# KiCad board 2000ATX.kicad_pcb (continued)
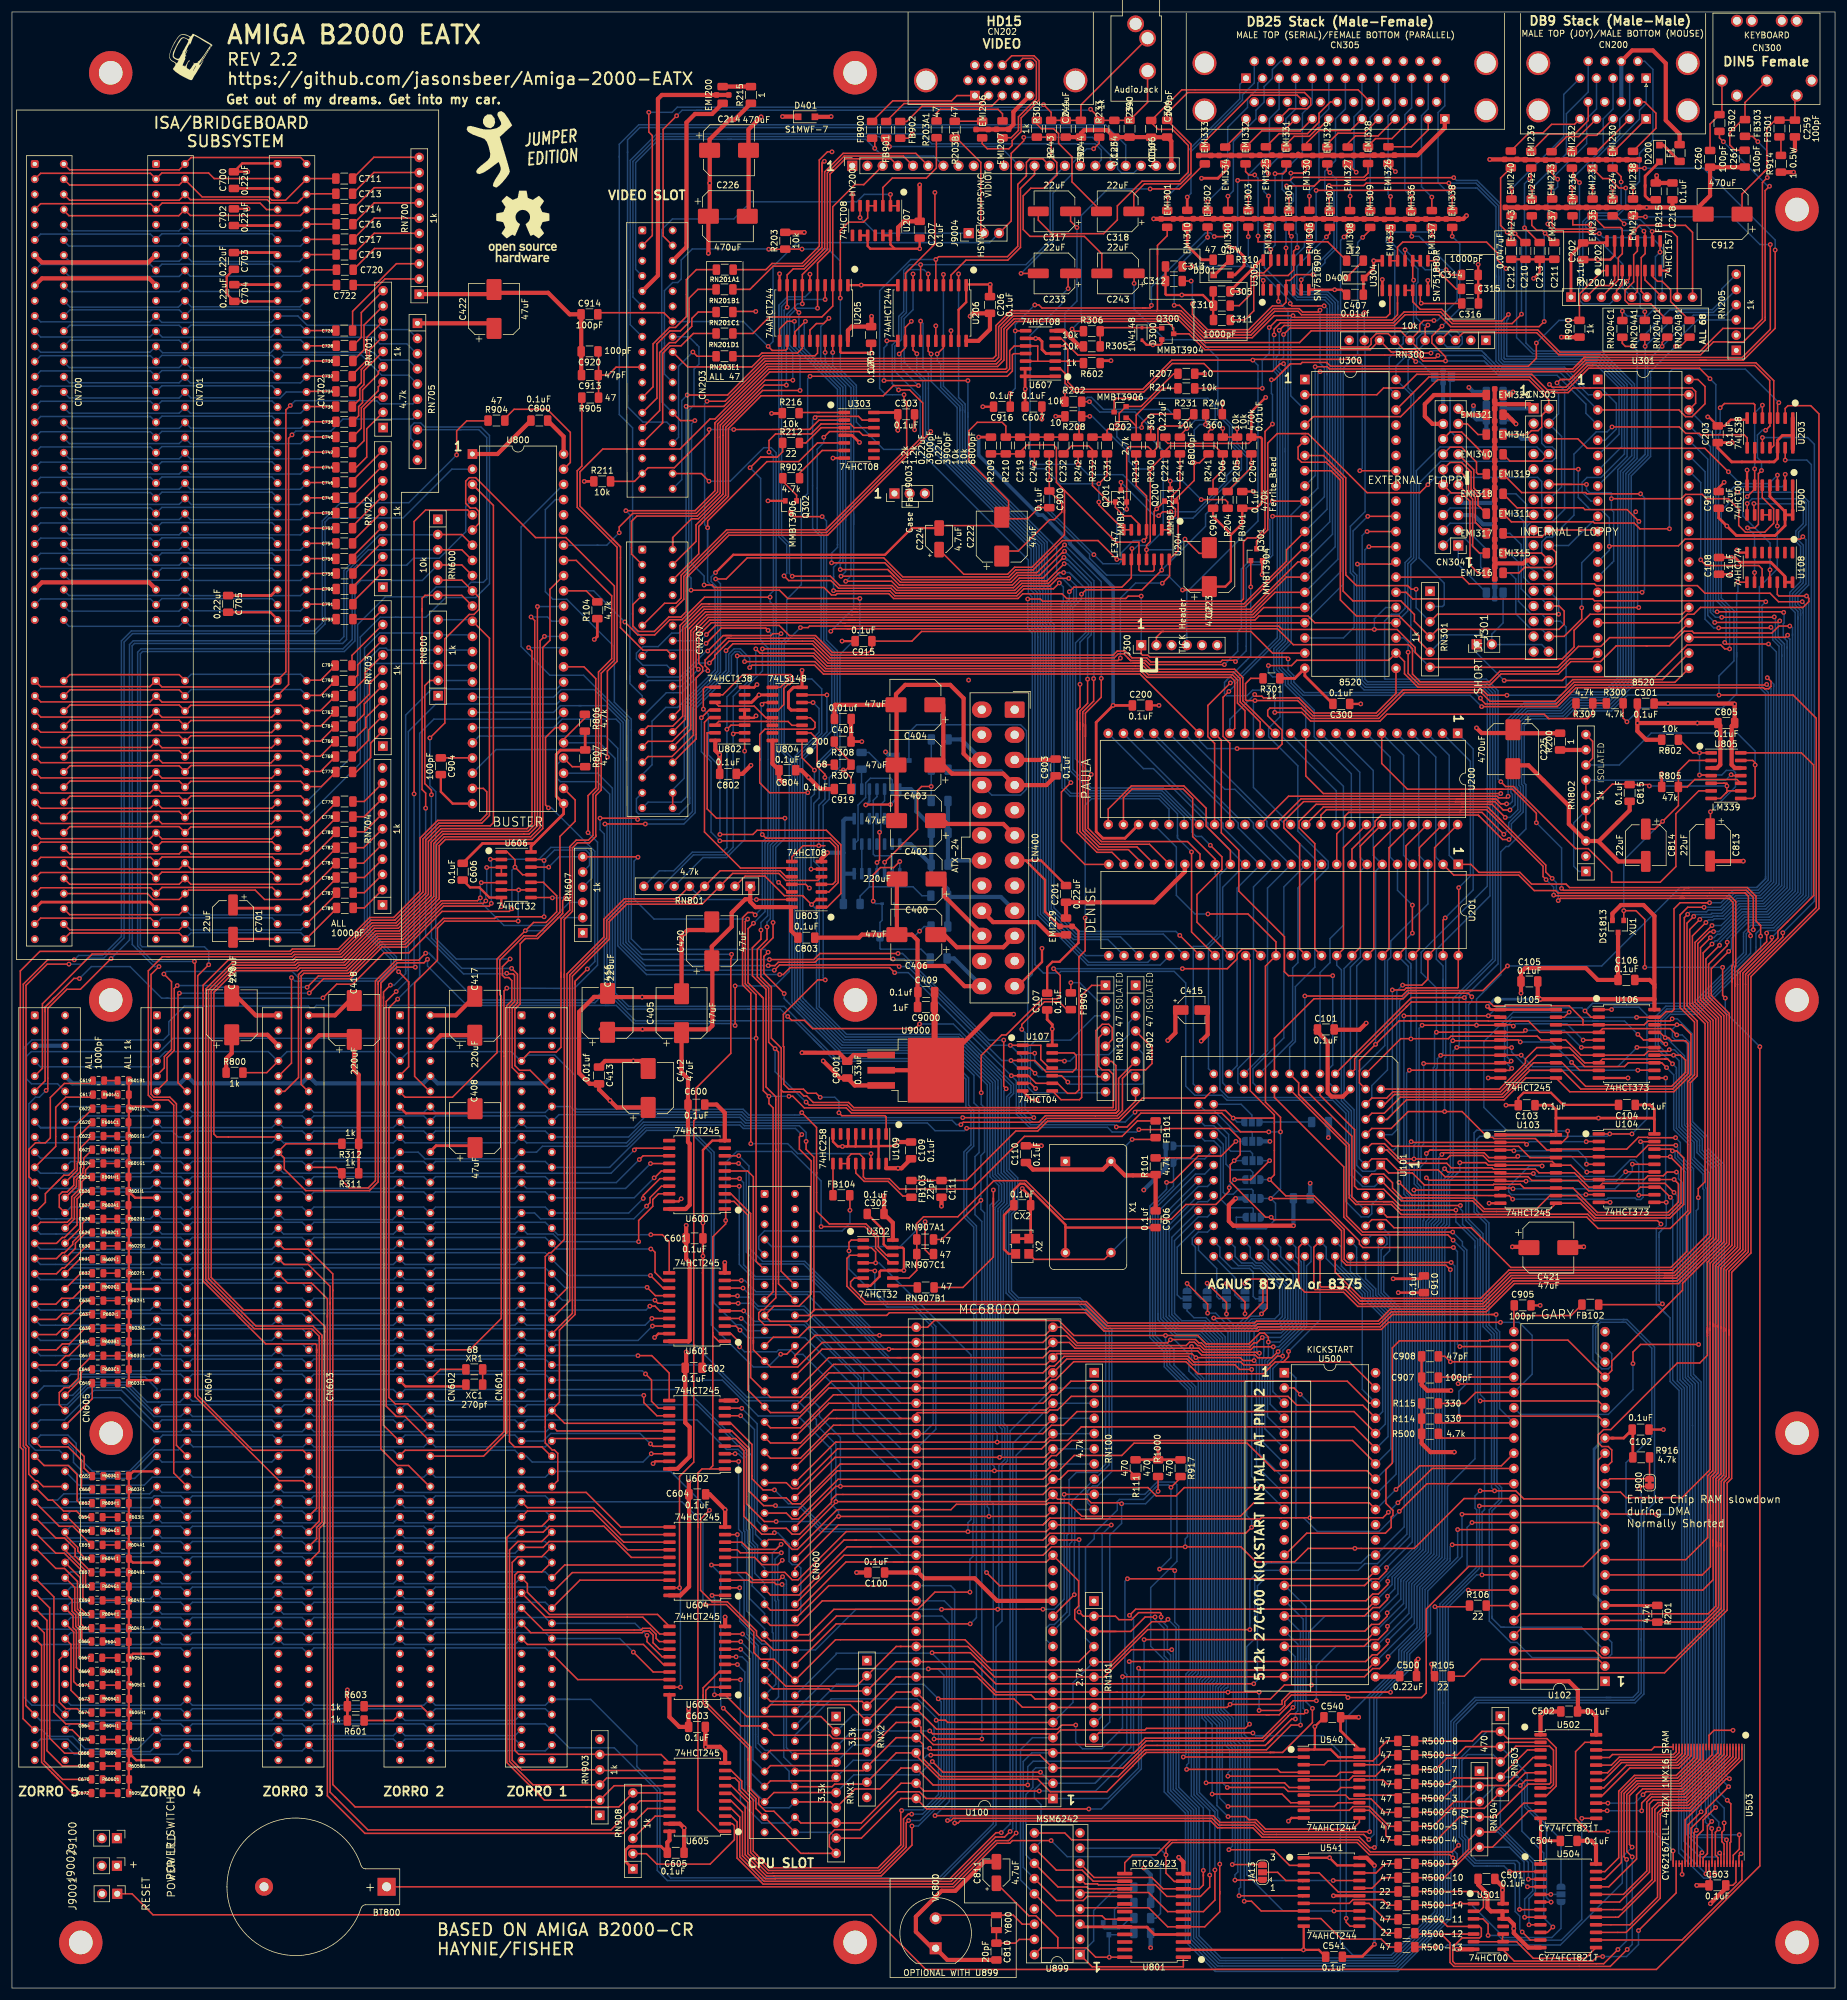
[diagram p0: board, top side]
## Routing (per net, layer and track width the routed paths; a pad name or vN(x,y) marks a point on that pad's centre or on a via; arc(x,y) is an arc through that point) (continued)
TBASE: length 115.7
  Top w0.25: 192.52,226.68 207.14,226.68 210.76,223.06 U300.19 215.87,223.34 ; 192.52,226.68 192.29,226.68 191.34,225.73 J300.2 ; 192.52,226.68 152.08,226.68 150.47,225.07 C915.1 143.77,223.75 143.19,223.17 137.16,223.17 134.34,226 129.97,226 128.27,227.69 117.63,227.69 v1(116.1,226.16)
  Bottom w0.25: v1(116.1,226.16) 115.07,225.13 CN207.14
VCDAC: length 228.3
  Top w0.25: v1(126.42,226.87) 126.05,227.24 118.61,227.24 v1(116.05,224.69) 117.36,226 ; 184.59,146.22 168.05,146.22 ; 184.59,146.22 185.02,146.64 ; 184.59,146.22 140.35,146.22 139.49,147.08 132.48,147.08 130.54,149.02 v1(129.9,149.02) ; 184.59,146.22 185.02,146.64 ; 126.3,114.94 125.94,114.94 ; 185.02,146.64 185.02,152 RN902.6 ; 125.4,165.63 124.96,166.07 ; 125.4,165.63 125.4,165.64 123.07,167.97 123.07,177.02 v1(123.97,177.93) ; 125.4,165.63 125.61,165.42 125.61,149.96 v1(126.56,149.02) 126.56,147.77 127.25,147.08 127.25,116.34 CN600.15
  Bottom w0.25: v1(116.05,224.69) 114.93,223.57 106.36,223.57 CN207.15 ; 126.86,225.54 126.86,192.31 125.9,191.35 125.9,179.87 v1(123.97,177.93) ; v1(126.42,226.87) 126.86,226.43 126.86,225.55 ; v1(129.9,149.02) v1(126.56,149.02)
Vref: length 81.4
  Top w0.25: R209.2 R210.1 C219.1 168.55,256.69 169.72,257.86 174.14,257.86 174.62,257.38 174.62,255.4 ; 174.62,255.4 174.62,251.59 175.26,250.95 ; 174.62,255.4 174.62,253.22 ; 175.96,246.96 175.96,250.25 175.26,250.95 ; 175.96,246.96 175.96,246.45 ; 175.96,246.96 175.96,242.84 170.53,237.41 167.63,237.41 166.46,236.24 159.14,236.24 C224.1 ; 183.9,242.32 175.26,250.95 ; 183.9,242.32 184.61,241.6 188.42,241.6 U204.10 188.42,236.98 188.67,236.73 190.75,236.73 190.96,236.93 U204.12 ; 183.9,242.32 183.82,242.39
XCLK: length 150.9
  Top w0.25: v1(124.25,179.32) 123.85,179.72 123.02,179.72 122.15,178.85 122.15,167.62 123.53,166.24 v1(123.53,141.09) ; v1(123.4,254.04) 125.17,255.8 127.67,255.8 ; 127.67,255.8 127.94,255.8 128.85,256.71 R212.1 ; 127.67,255.8 125.17,255.8 ; U109.14 v1(143.62,139.43)
  Bottom w0.25: v1(143.62,139.43) 131.36,139.43 130.32,140.47 ; 130.32,140.47 129.7,141.09 v1(123.53,141.09) ; 130.32,140.47 130.19,140.6 ; v1(124.25,179.32) 125.45,180.51 125.45,191.54 126.41,192.5 126.41,223.91 125.17,225.15 125.17,252.27 123.43,254.01
XRDY: length 312.5
  Top w0.25: 133.89,113.04 134.23,113.38 179.61,113.38 182.77,110.22 208.12,110.22 208.4,110.5 228.75,110.5 230.81,112.55 v1(248.13,112.55) 247.37,112.55 ; 133.89,113.04 133.23,112.38 CN600.18 ; 133.89,113.04 134.07,113.22 134.07,138.84 132.77,140.14 v1(132.77,141.48) ; R114.1 239.19,94.44 U102.31
  Bottom w0.25: v1(248.13,112.55) 248.13,110.25 248.72,109.66 248.72,96.82 U102.31 ; 29.18,142.21 30.16,143.19 48.52,143.19 49.5,142.21 50.48,143.19 68.84,143.19 69.82,142.21 70.8,143.19 89.16,143.19 90.14,142.21 103.09,142.21 105.56,144.68 121.87,144.68 122.46,144.09 131.65,144.09 132.78,142.96 132.78,141.47 ; CN605.18 22.77,142.21 23.75,143.19 26.8,143.19 27.78,142.21 CN604.18
Net-(BT800-Pad1): length 144.2
  Top w0.25: v1(173.74,24.64) 167.26,24.64 166.81,24.19 164.7,24.19 157.43,16.92 BT800.1
  Bottom w0.25: v1(173.74,24.64) 176.42,21.95 190.39,21.95 192.02,20.32 192.02,12.45 191.26,11.68 R803.1
Net-(C112-Pad2): length 21.6
  Top w0.7: v1(214.25,127.38) 204.22,127.38 203.45,128.14 203.45,130.81 v1(204.58,131.94)
  Bottom w0.7: C112.2 v1(214.25,127.38) ; JA5.1 v1(204.58,131.94)
Net-(C201-Pad1): length 26.1
  Top w0.457: 194.51,184.96 194.31,184.76
  Top w0.7: U201.19 196.09,186.54 190.98,181.43 C201.1 EMI229.2
Net-(C204-Pad1): length 43.7
  Top w0.25: C204.1 v1(207.21,254.81) 207.21,254.1 203.25,250.14 R204.1 ; v1(188.11,265.63) 184.67,265.63 184.27,265.24 Q202.3 ; v1(204.83,260.55) R205.1 R206.1 v1(202.44,260.6)
  Bottom w0.25: v1(202.44,260.6) 201.16,261.88 201.16,264.43 199.94,265.65 188.11,265.65 ; v1(204.83,260.55) 204.83,258.06 207.21,255.68 v1(207.21,254.81)
Net-(C210-Pad1): length 152
  Top w0.25: EMI243.1 250.7,293.78 v1(251.31,293.17) 252.8,291.67 C210.1 ; U200.32 201.07,207.99 199.94,209.11 199.94,214.32 v1(203.71,218.08) ; v1(211.02,276.25) 211.02,277.22 212.06,278.26 230.94,278.26 232.74,280.06 238.86,280.06 240.79,278.13 250.8,278.13 v1(252.37,279.7)
  Bottom w0.25: v1(203.71,218.08) 203.99,218.08 211.55,225.64 211.55,269.63 210.94,270.24 210.94,276.16 v1(211.02,276.25) ; v1(252.37,279.7) 252.37,292.1 v1(251.31,293.17)
Net-(C211-Pad1): length 155.3
  Top w0.25: C211.1 v1(256.33,293.21) 255.81,293.73 254.91,293.73 254.1,294.54 EMI242.1 ; U200.33 203.61,208.03 202.48,209.15 202.48,215.69 v1(203.45,216.66) ; v1(211.87,277) 212.69,277.81 231.13,277.81 232.93,279.61 238.55,279.61 240.54,277.62 255.32,277.62 v1(256.17,278.47)
  Bottom w0.25: v1(256.33,293.21) 256.17,293.05 v1(256.17,278.47) ; v1(203.45,216.66) 204.43,217.64 204.43,217.89 212,225.45 212,269.82 211.39,270.43 211.39,272.53 211.87,273.01 v1(211.87,277)
Net-(C212-Pad1): length 183
  Top w0.25: v1(250.14,199.14) 249.88,198.88 248.56,198.88 248.29,199.15 242.32,199.15 213.43,199.15 U200.35 ; EMI240.2 248.89,302.45 248.89,294.52 v1(249.99,293.42) 250.65,292.76 C212.1
  Bottom w0.25: v1(249.99,293.42) 251.56,291.85 251.56,275.79 254.25,273.1 265.54,273.1 270.81,267.83 270.81,256.05 268.48,253.72 268.48,218.9 266.14,216.56 260.18,216.56 258.41,214.79 252.85,214.79 250.14,212.08 250.14,209.96 ; 250.14,209.96 250.14,210.57 ; 250.14,209.96 v1(250.14,199.14)
Net-(C213-Pad1): length 183.2
  Top w0.25: 247.52,198.7 247.83,198.7 ; 247.52,198.7 241.48,198.7 ; 247.52,198.7 248.1,198.7 248.94,197.87 v1(249.89,197.87) ; 241.48,198.7 215.52,198.7 U200.36 ; 241.48,198.7 242.62,198.7 ; C213.1 255.34,291.67 v1(252.88,294.13) ; v1(253.75,302.36) 254,302.62 EMI239.2
  Bottom w0.25: 253.13,286.11 253.13,274.86 254.44,273.55 265.72,273.55 271.26,268.02 271.26,255.76 268.93,253.43 268.93,218.71 266.33,216.11 260.37,216.11 258.6,214.34 253.03,214.34 250.59,211.9 250.59,200.55 ; 253.13,286.11 253.13,286.26 ; 253.13,286.11 253.13,293.89 v1(252.88,294.13) 252.88,301.5 v1(253.75,302.36) ; 250.59,200.55 250.59,199.76 250.86,199.48 250.86,198.28 250.45,197.87 v1(249.89,197.87) ; 250.59,200.55 250.59,200.36
Net-(C231-Pad1): length 64
  Top w0.25: C233.1 176.58,286.1 v1(176.58,283.97) ; U204.6 U204.7 181.71,247.84 v1(181.71,248.31) ; C231.1 183.08,252.73 v1(181.71,251.36)
  Bottom w0.25: v1(181.71,248.31) v1(181.71,251.36) 175.22,251.36 172.69,253.88 170.59,253.88 170.22,254.26 170.22,276.12 175.59,281.5 175.59,282.99 v1(176.58,283.97)
Net-(C231-Pad2): length 16.8
  Top w0.25: R231.1 190.4,262.99 188.87,261.47 v1(188.87,260.76) ; v1(185.78,260.76) 185.54,260.52 183.31,260.52 183.08,260.3 C231.2 R232.2
  Bottom w0.25: v1(185.78,260.76) v1(188.87,260.76)
Net-(C232-Pad1): length 23.6
  Top w0.25: C232.1 177.17,257.71 179.98,257.71 180.64,257.05 R232.1 180.64,251.05 183.37,248.33 Q201.1 184.47,247.43 185.93,245.97 187.09,245.97 188.42,244.65 U204.5
Net-(C233-Pad2): length 31.7
  Top w0.25: R233.2 181.77,308.26 v1(180.85,307.34) ; C233.2 v1(168.71,286.51)
  Bottom w0.25: v1(180.85,307.34) 179.69,307.34 177.22,304.87 177.22,303.1 174.03,299.91 174.03,291.84 v1(168.71,286.51)
Net-(C241-Pad1): length 75.1
  Top w0.25: v1(187.61,284.84) C243.1 ; U204.2 U204.1 v1(193.5,245.62) 194.06,245.62 194.52,246.08 194.52,247.12 193.87,247.77 193.87,249.27 195.28,250.67 C241.1
  Bottom w0.25: 187.61,282 187.61,281.48 ; 187.61,282 v1(187.61,284.84) ; 187.61,282 187.61,280.56 192.74,275.44 198.53,275.44 201.61,272.35 201.61,262.88 203.56,260.93 203.56,258.05 205.55,256.07 205.55,253.73 197.44,245.62 v1(193.5,245.62)
Net-(C241-Pad2): length 35.4
  Top w0.25: v1(200.61,260.65) 200.05,260.1 R241.1 ; C241.2 195.28,259.44 v1(196.44,260.6) ; v1(178.41,260.76) 178.41,259.31 R242.2
  Bottom w0.25: v1(178.41,260.76) 178.41,264.42 179.79,265.8 180.48,265.8 182.49,263.8 193.25,263.8 v1(196.44,260.6) 197.83,261.99 199.89,261.99 200.61,261.27 v1(200.61,260.65)
Net-(C242-Pad1): length 32.7
  Top w0.25: 170.94,254.56 v1(170.94,254.61) C242.1 ; Q200.1 v1(191.39,247.17) 190.96,246.74 U204.3 ; R242.1 v1(178.26,254.56)
  Bottom w0.25: 191.41,247.19 185.72,252.88 179.93,252.88 v1(178.26,254.56) 178.21,254.61 v1(170.94,254.61)
Net-(C259-Pad1): length 27.2
  Top w0.25: 292.88,303.42 289.25,299.78 C912.1 288.24,297.43 ; 292.88,303.42 293.39,303.93 293.39,310.72 294.8,312.13 FB301.1 C259.1 298.09,315.93 CN300.5 ; 292.88,303.42 293.09,303.62
Net-(C260-Pad1): length 12.5
  Top w0.25: C260.1 283.91,311.48 FB302.1 285.89,313.47 CN300.1
Net-(C304-Pad1): length 58.7
  Top w0.25: CN305.36 213.56,314.04 216.55,314.04 217.13,314.62 217.13,315.7 216.1,316.74 196.57,316.74 193.13,313.3 C304.1 197.12,308.11 197.12,303.22 195.39,301.48 189.34,301.48 187.56,299.71 C318.1
Net-(C306-Pad1): length 85.3
  Top w0.25: C317.2 171.59,295.41 173.85,293.15 182.51,293.15 184.81,295.45 184.81,297.79 188.95,301.93 195.2,301.93 195.21,301.94 195.21,301.97 196.67,303.43 196.67,307.89 196,308.56 196,308.59 194.02,310.58 191.63,310.58 190.46,311.75 C306.1 195.58,317.19 225.06,317.19 CN305.43
Net-(C310-Pad1): length 30.3
  Top w0.25: v1(210.46,290.53) U305.13 210.46,287.76 209.32,286.61 207.62,286.61 207.16,286.16 207.16,283.11 205.18,281.13 C310.1 ; v1(211.18,303.17) 212.55,303.17 213.06,303.68 EMI331.1 ; 203.69,280.52 203.73,280.52
  Bottom w0.25: v1(211.18,303.17) 211.18,291.24 v1(210.46,290.53)
Net-(C311-Pad1): length 38
  Top w0.25: C311.1 206.1,278.74 207.61,280.26 207.61,285.69 208.08,286.16 213.37,286.16 214.27,287.07 U305.10 214.27,290.22 v1(214.88,290.83) ; v1(213.82,303.28) 215.85,303.28 216.46,303.89 EMI330.1
  Bottom w0.25: v1(214.88,290.83) 214.88,293.03 214.69,293.22 214.69,300.98 213.82,301.85 v1(213.82,303.28)
Net-(C312-Pad1): length 55.2
  Top w0.25: v1(217.53,286.31) 214.63,286.31 213.66,285.34 213,285.34 U305.4 213,281.69 212.39,281.08 210.74,281.08 206.78,277.11 199.91,277.11 197.36,279.66 v1(197.36,281.43) ; v1(220.34,303.35) 219.91,303.78 EMI329.1 ; C312.1 v1(197.15,285.24)
  Bottom w0.25: 197.15,281.48 197.1,281.43 ; v1(217.53,286.31) 219.52,288.3 219.52,288.78 221.48,290.75 221.48,302.22 v1(220.34,303.35) ; v1(197.15,285.24) 197.36,285.04 v1(197.36,281.43)
Net-(C313-Pad1): length 55.4
  Top w0.25: v1(204.93,302.06) 213.67,302.06 214.18,302.56 226.01,302.56 226.72,303.28 EMI328.1 ; C313.1 v1(197.31,287.68) ; U305.1 v1(209.19,285.34)
  Bottom w0.25: v1(209.19,285.34) 207.06,287.48 ; 207.06,287.48 204.93,289.61 v1(204.93,302.06) ; 207.06,287.48 206.86,287.68 v1(197.31,287.68)
Net-(C314-Pad2): length 48.9
  Top w0.25: U304.11 v1(232.92,290.47) ; C314.2 240.64,286.26 v1(239.78,287.12) ; v1(210.06,303.17) 209.65,303.58 EMI325.1
  In1.Cu w0.25: v1(232.92,290.47) 226.21,290.47 225,291.69 225,300.37 221.23,304.14 211.07,304.14 210.1,303.17 v1(210.06,303.17)
  Bottom w0.25: v1(239.78,287.12) 236.27,287.12 v1(232.92,290.47)
Net-(C315-Pad2): length 27.9
  Top w0.25: v1(231.29,303.53) 230.12,304.7 EMI326.1 ; C315.2 241.44,283.92 238.11,287.25 v1(238.11,288.63) U304.8
  In1.Cu w0.25: v1(238.11,288.63) 236.06,290.68 236.06,292.39 231.29,297.16 v1(231.29,303.53)
Net-(C316-Pad2): length 40.9
  Top w0.25: C316.2 235.66,281.48 v1(235.61,281.53) 235.46,281.69 U304.6 ; v1(224.74,303.43) 223.35,304.82 EMI327.1
  In1.Cu w0.25: v1(235.61,281.53) 235.61,292.21 234,293.82 227.99,293.82 226.35,295.46 226.35,301.82 v1(224.74,303.43)
Net-(C318-Pad2): length 20.9
  Top w0.25: R302.2 171.35,311.45 172.12,310.69 174.15,310.69 174.98,309.86 174.98,308.25 177.22,306 177.22,301.81 C318.2
Net-(C617-Pad1): length 2.3
  Top w0.25: C617.1 R601A1.2
Net-(C619-Pad1): length 2.3
  Top w0.25: R601B1.2 C619.1
Net-(C620-Pad1): length 2.3
  Top w0.25: R601C1.2 C620.1
Net-(C621-Pad1): length 2.3
  Top w0.25: C621.1 R601D1.2
Net-(C622-Pad1): length 2.3
  Top w0.25: C622.1 R601E1.2
Net-(C623-Pad1): length 2.3
  Top w0.25: R601F1.2 C623.1
Net-(C624-Pad1): length 2.3
  Top w0.25: C624.1 R601G1.2
Net-(C625-Pad1): length 2.3
  Top w0.25: R601H1.2 C625.1
Net-(C626-Pad1): length 2.3
  Top w0.25: C626.1 R601I1.2
Net-(C627-Pad1): length 2.3
  Top w0.25: C627.1 R602A1.2
Net-(C628-Pad1): length 2.3
  Top w0.25: R602B1.2 C628.1
Net-(C629-Pad1): length 2.4
  Top w0.25: C629.1 R602C1.2
Net-(C630-Pad1): length 2.4
  Top w0.25: C630.1 R602D1.2
Net-(C631-Pad1): length 2.4
  Top w0.25: C631.1 15.35,121.73 R602E1.2
Net-(C632-Pad1): length 2.4
  Top w0.25: C632.1 R602F1.2
Net-(C633-Pad1): length 2.4
  Top w0.25: R602G1.2 C633.1
Net-(C635-Pad1): length 2.4
  Top w0.25: C635.1 R602H1.2
Net-(C637-Pad1): length 2.4
  Top w0.25: R602I1.2 C637.1
Net-(C639-Pad1): length 2.4
  Top w0.25: R603A1.2 17.6,110.24 C639.1
Net-(C641-Pad1): length 2.4
  Top w0.25: R603B1.2 C641.1
Net-(C645-Pad1): length 2.4
  Top w0.25: R603C1.2 C645.1
Net-(C647-Pad1): length 2.4
  Top w0.25: C647.1 R603D1.2
Net-(C649-Pad1): length 2.4
  Top w0.25: C649.1 R603E1.2
Net-(C650-Pad1): length 2.4
  Top w0.25: R603F1.2 C650.1
Net-(C651-Pad1): length 2.4
  Top w0.25: C651.1 17.6,85.53 R603G1.2
Net-(C652-Pad1): length 2.4
  Top w0.25: C652.1 R603H1.2
Net-(C654-Pad1): length 2.5
  Top w0.25: R603I1.2 C654.1
Net-(C655-Pad1): length 2.5
  Top w0.25: R604A1.2 C655.1
Net-(C657-Pad1): length 2.5
  Top w0.25: R604B1.2 C657.1
Net-(C658-Pad1): length 2.4
  Top w0.25: C658.1 R604C1.2
Net-(C659-Pad1): length 2.5
  Top w0.25: C659.1 R604D1.2
Net-(C660-Pad1): length 2.4
  Top w0.25: C660.1 R604E1.2
Net-(C661-Pad1): length 2.5
  Top w0.25: C661.1 R604F1.2
Net-(C662-Pad1): length 2.4
  Top w0.25: C662.1 R604G1.2
Net-(C663-Pad1): length 2.5
  Top w0.25: R604H1.2 C663.1
Net-(C664-Pad1): length 2.6
  Top w0.25: C664.1 R604I1.2
Net-(C665-Pad1): length 2.5
  Top w0.25: C665.1 15.23,57.85 R604.2
Net-(C666-Pad1): length 2.6
  Top w0.25: C666.1 R605.2
Net-(C667-Pad1): length 2.6
  Top w0.25: C667.1 R605A1.2
Net-(C668-Pad1): length 2.6
  Top w0.25: R605B1.2 C668.1
Net-(C669-Pad1): length 2.6
  Top w0.25: R605C1.2 C669.1
Net-(C670-Pad1): length 2.6
  Top w0.25: C670.1 R605D1.2
Net-(C671-Pad1): length 2.6
  Top w0.25: C671.1 R605E1.2
Net-(C672-Pad1): length 2.5
  Top w0.25: R605F1.2 C672.1
Net-(C673-Pad1): length 2.6
  Top w0.25: R605G1.2 C673.1
Net-(C674-Pad1): length 2.6
  Top w0.25: C674.1 R605H1.2
Net-(C675-Pad1): length 2.5
  Top w0.25: R605I1.2 C675.1
Net-(C711-Pad1): length 12.4
  Top w0.25: C711.1 60.51,305.92 67.89,305.92
Net-(C711-Pad2): length 49.4
  Top w0.25: 28.89,302.2 31.8,299.29 42.87,299.29 43.43,298.74 45.73,298.74 CN702.A2 ; C711.2 49.1,302.36 ; CN700.A2 9.64,301.28 27.95,301.28 CN701.A2
Net-(C713-Pad1): length 12.4
  Top w0.25: C713.1 60.51,303.38 67.89,303.38
Net-(C713-Pad2): length 48.5
  Top w0.25: 49.1,299.82 C713.2 ; CN700.A3 9.64,298.74 27.95,298.74 CN701.A3 29.81,298.84 42.68,298.84 43.24,298.29 47.72,298.29 48.41,298.98 ; 49.25,299.82 48.41,298.98 ; 48.41,298.98 47.82,298.39
Net-(C714-Pad1): length 12.4
  Top w0.25: C714.1 60.56,300.84 67.89,300.84
Net-(C714-Pad2): length 47.3
  Top w0.25: 28.87,297.14 27.89,296.16 9.53,296.16 8.6,297.09 ; 28.89,297.12 29.82,296.19 48.23,296.19 49.21,297.17 ; 49.1,297.28 C714.2
Net-(C716-Pad1): length 12.4
  Top w0.25: C716.1 60.56,298.3 67.89,298.3
Net-(C716-Pad2): length 47.1
  Top w0.25: 49.25,294.74 C716.2
  Bottom w0.25: 28.91,294.55 29.84,293.62 48.25,293.62 49.23,294.6 ; 8.6,294.55 9.53,293.62 27.89,293.62 28.87,294.6
Net-(C717-Pad1): length 12.4
  Top w0.25: C717.1 60.56,295.76 67.89,295.76
Net-(C717-Pad2): length 47.1
  Top w0.25: 49.25,292.2 C717.2
  Bottom w0.25: 28.91,292.01 29.84,291.08 48.25,291.08 49.23,292.06 ; 8.6,292.01 9.53,291.08 27.89,291.08 28.87,292.06
Net-(C719-Pad1): length 12.4
  Top w0.25: C719.1 60.56,293.22 67.89,293.22
Net-(C719-Pad2): length 47.3
  Top w0.25: 49.25,289.66 C719.2
  Bottom w0.25: 28.93,289.53 27.95,288.55 9.59,288.55 8.66,289.48 ; 28.93,289.61 30.04,288.5 48.09,288.5 49.25,289.66
Net-(C720-Pad1): length 12.3
  Top w0.25: C720.1 60.61,290.68 67.89,290.68
Net-(C720-Pad2): length 47.2
  Top w0.25: 49.25,287.12 C720.2
  Bottom w0.25: 8.66,286.94 9.59,286.01 27.95,286.01 28.93,286.99 ; 49.21,287.01 48.23,286.03 29.82,286.03 28.89,286.96
Net-(C722-Pad1): length 12.3
  Top w0.25: C722.1 60.72,284.58 64.27,288.14 67.89,288.14
Net-(C722-Pad2): length 47.2
  Top w0.25: 49.25,284.58 C722.2
  Bottom w0.25: 28.89,284.42 29.82,283.49 48.23,283.49 49.21,284.47 ; 8.66,284.4 9.59,283.47 27.95,283.47 28.93,284.45
Net-(C726-Pad1): length 16.4
  Top w0.25: C726.1 56.95,280.18 62.37,285.6 67.89,285.6
Net-(C726-Pad2): length 47.1
  Top w0.25: 49.25,276.96 C726.2
  Bottom w0.25: CN702.A12 48.27,277.84 29.91,277.84 CN701.A12 27.95,277.84 9.64,277.84 CN700.A12
Net-(C728-Pad1): length 11.3
  Top w0.25: C728.1 58.41,275.83 58.41,279.97 RN701.10
Net-(C728-Pad2): length 47.2
  Top w0.25: C728.2 49.25,274.42
  Bottom w0.25: 49.25,274.42 48.27,275.4 29.96,275.4 28.93,274.37 27.95,275.35 9.69,275.35 CN700.A13
Net-(C730-Pad1): length 11.3
  Top w0.25: C730.1 58.86,273.74 58.86,277.88 RN701.9
Net-(C730-Pad2): length 47.1
  Top w0.25: 49.25,271.88 C730.2
  Bottom w0.25: 49.23,271.74 48.25,270.76 29.84,270.76 28.91,271.69 ; 8.66,271.71 9.59,270.78 27.95,270.78 28.93,271.76
Net-(C732-Pad1): length 11.3
  Top w0.25: C732.1 56.9,269.58 59.31,271.99 59.31,275.79 RN701.8
Net-(C732-Pad2): length 47
  Top w0.25: 54.1,269.34 49.25,269.34
  Bottom w0.25: 28.91,269.15 29.84,268.22 48.25,268.22 49.23,269.2 ; 8.66,269.17 9.59,268.24 27.95,268.24 28.93,269.22
Net-(C734-Pad1): length 11.3
  Top w0.25: RN701.7 59.77,273.71 59.77,271.81 58.41,270.45 58.41,268.26 C734.1
Net-(C734-Pad2): length 47.1
  Top w0.25: 49.25,266.8 C734.2
  Bottom w0.25: 8.66,266.63 9.59,265.7 27.95,265.7 28.93,266.68 ; CN701.A16 29.91,265.72 44.87,265.72 45.85,266.7 CN702.A16
Net-(C736-Pad1): length 11.3
  Top w0.25: RN701.6 58.86,270.26 58.86,267.93 58.16,267.23 58.16,265.5 C736.1
Net-(C736-Pad2): length 47
  Top w0.25: C736.2 49.25,264.26
  Bottom w0.25: 28.91,264.07 29.84,263.14 48.25,263.14 49.23,264.12 ; 8.66,264.09 9.59,263.16 27.95,263.16 28.93,264.14
Net-(C738-Pad1): length 11.3
  Top w0.25: C738.1 57.96,262.73 57.96,264.26 58.61,264.92 58.61,267.05 61.25,269.69 61.25,270.12 RN701.5
Net-(C738-Pad2): length 47.1
  Top w0.25: 49.25,261.72 C738.2
  Bottom w0.25: 8.66,261.55 9.59,260.62 27.95,260.62 28.93,261.6 ; CN702.A18 48.27,260.64 29.91,260.64 CN701.A18
Net-(C740-Pad1): length 11.3
  Top w0.25: C740.1 58.41,260.64 58.41,264.08 61.25,266.92 61.25,267.58 RN701.4
Net-(C740-Pad2): length 47.1
  Top w0.25: 49.25,259.18 C740.2
  Bottom w0.25: 28.91,258.99 29.84,258.06 48.25,258.06 49.23,259.04 ; 8.66,259.01 9.59,258.08 27.95,258.08 28.93,259.06
Net-(C742-Pad1): length 12
  Top w0.25: C742.1 58.86,258.55 58.86,263.89 60.81,265.84 RN701.3
Net-(C742-Pad2): length 47.1
  Top w0.25: 49.25,256.64 C742.2
  Bottom w0.25: 28.91,256.45 29.84,255.52 48.25,255.52 49.23,256.5 ; 8.66,256.47 9.59,255.54 27.95,255.54 28.93,256.52
Net-(C744-Pad1): length 11.7
  Top w0.25: RN701.2 59.31,260.55 59.31,255.84 57.57,254.1 C744.1
Net-(C744-Pad2): length 47.1
  Top w0.25: C744.2 49.25,254.1
  Bottom w0.25: 28.91,253.91 29.84,252.98 48.25,252.98 49.23,253.96 ; 8.66,253.93 9.59,253 27.95,253 28.93,253.98
Net-(C746-Pad1): length 7.4
  Top w0.25: C746.1 56.95,251.89 RN702.10
Net-(C746-Pad2): length 47.1
  Top w0.25: 49.25,251.56 54.1,251.56 C746.2
  Bottom w0.25: 28.91,251.37 29.84,250.44 48.25,250.44 49.23,251.42 ; 8.66,251.39 9.59,250.46 27.95,250.46 28.93,251.44
Net-(C748-Pad1): length 7.5
  Top w0.25: C748.1 56.95,249.35 RN702.9
Net-(C748-Pad2): length 47.2
  Top w0.25: 49.25,249.02 C748.2
  Bottom w0.25: 8.66,248.85 9.59,247.92 27.95,247.92 28.93,248.9 ; 28.93,248.97 30,247.9 48.13,247.9 49.25,249.02
Net-(C750-Pad1): length 7.5
  Top w0.25: C750.1 56.95,246.81 RN702.8
Net-(C750-Pad2): length 47.1
  Top w0.25: C750.2 49.25,246.48
  Bottom w0.25: 28.93,246.36 27.95,245.38 9.59,245.38 8.66,246.31 ; 28.91,246.29 29.84,245.36 48.25,245.36 49.23,246.34
Net-(C752-Pad1): length 7.5
  Top w0.25: C752.1 56.95,244.27 RN702.7
Net-(C752-Pad2): length 47.1
  Top w0.25: 49.25,243.94 C752.2
  Bottom w0.25: 28.93,243.82 27.95,242.84 9.59,242.84 8.66,243.77 ; 49.23,243.8 48.25,242.82 29.84,242.82 28.91,243.75
Net-(C754-Pad1): length 7.5
  Top w0.25: C754.1 56.95,241.73 RN702.6
Net-(C754-Pad2): length 47.1
  Top w0.25: C754.2 49.25,241.4
  Bottom w0.25: 28.93,241.28 27.95,240.3 9.59,240.3 8.66,241.23 ; 49.23,241.26 48.25,240.28 29.84,240.28 28.91,241.21
Net-(C756-Pad1): length 7.5
  Top w0.25: C756.1 56.95,239.19 RN702.5
Net-(C756-Pad2): length 47.1
  Top w0.25: 49.25,238.86 54.1,238.86 C756.2
  Bottom w0.25: 28.93,238.74 27.95,237.76 9.59,237.76 8.66,238.69 ; 49.23,238.72 48.25,237.74 29.84,237.74 28.91,238.67
Net-(C758-Pad1): length 7.4
  Top w0.25: C758.1 57,236.71 RN702.4
Net-(C758-Pad2): length 47.2
  Top w0.25: C758.2 49.3,236.37 49.25,236.32
  Bottom w0.25: 49.23,236.18 48.25,235.2 29.84,235.2 28.91,236.13 ; CN700.A28 9.64,235.24 27.95,235.24 CN701.A28
Net-(C760-Pad1): length 9
  Top w0.25: RN703.7 59.06,219.81 59.06,218.83 56.85,216.63 C760.1
Net-(C760-Pad2): length 48
  Top w0.25: 28.93,213.41 27.95,214.39 9.69,214.39 CN700.C3 ; 49.25,213.46 51.61,213.46 C760.2 ; CN701.C3 29.91,214.34 48.27,214.34 CN702.C3
Net-(C762-Pad1): length 9
  Top w0.25: RN703.6 59.77,217.98 59.77,216.23 C762.1
Net-(C762-Pad2): length 48.1
  Top w0.25: 28.93,210.87 27.95,211.85 9.69,211.85 CN700.C4 ; C762.2 51.66,210.92 49.25,210.92 49.3,210.87 ; CN701.C4 29.91,211.8 48.27,211.8 CN702.C4
Net-(C764-Pad1): length 9
  Top w0.25: RN703.5 58.91,214.59 58.91,212.88 C764.1
Net-(C764-Pad2): length 48
  Top w0.25: 28.93,208.33 27.95,209.31 9.69,209.31 CN700.C5 ; 49.25,208.38 51.61,208.38 C764.2 ; CN702.C5 48.27,209.26 29.91,209.26 CN701.C5
Net-(C766-Pad1): length 8.9
  Top w0.25: RN703.4 59.16,212.3 59.16,210.65 C766.1
Net-(C766-Pad2): length 48.1
  Top w0.25: 28.93,205.79 27.95,206.77 9.69,206.77 CN700.C6 ; C766.2 51.56,205.84 49.25,205.84 49.3,205.89 ; CN701.C6 29.91,206.72 48.27,206.72 CN702.C6
Net-(C768-Pad1): length 8.9
  Top w0.25: C768.1 59.61,208.51 59.61,210.21 RN703.3
Net-(C768-Pad2): length 48.2
  Top w0.25: CN700.C7 9.69,204.23 27.95,204.23 28.93,203.25 29.96,204.28 48.27,204.28 49.25,203.3 51.61,203.3 54.1,205.79 54.05,205.74
Net-(C770-Pad1): length 9.3
  Top w0.25: RN703.2 59.97,208.03 59.97,205.59 57.57,203.2 C770.1
Net-(C770-Pad2): length 48.1
  Top w0.25: 28.93,200.71 27.95,201.69 9.69,201.69 CN700.C8 ; 49.25,200.76 51.71,200.76 C770.2 ; CN702.C8 48.27,201.64 29.91,201.64 CN701.C8
Net-(C776-Pad1): length 6.5
  Top w0.25: RN704.9 58.9,198.27 C776.1 57,198.61
Net-(C776-Pad2): length 49.4
  Top w0.25: 49.25,193.14 54.2,198.09 C776.2 ; 28.93,193.09 27.95,194.07 9.69,194.07 CN700.C11 ; CN701.C11 29.91,194.02 48.27,194.02 CN702.C11
Net-(C778-Pad1): length 6.5
  Top w0.25: RN704.8 58.9,195.73 C778.1 57,196.07
Net-(C778-Pad2): length 49.4
  Top w0.25: 49.25,190.6 54.2,195.55 C778.2 ; CN700.C12 9.64,189.52 27.95,189.52 CN701.C12 29.91,189.52 48.27,189.52 CN702.C12
Net-(C780-Pad1): length 6.5
  Top w0.25: RN704.7 58.9,193.19 C780.1 57,193.53
Net-(C780-Pad2): length 49.4
  Top w0.25: 49.25,188.06 54.2,193.01 C780.2 ; CN702.C13 48.27,186.98 29.91,186.98 CN701.C13 27.95,186.98 9.64,186.98 CN700.C13
Net-(C782-Pad1): length 6.7
  Top w0.25: RN704.6 58.8,190.55 C782.1 57,190.99
Net-(C782-Pad2): length 49.3
  Top w0.25: 49.25,185.52 54.2,190.47 C782.2 ; CN702.C14 48.27,184.44 29.91,184.44 CN701.C14 27.95,184.44 9.64,184.44 CN700.C14
Net-(C784-Pad1): length 6.8
  Top w0.25: RN704.5 58.75,187.96 C784.1 57,188.45
Net-(C784-Pad2): length 49.7
  Top w0.25: 49.25,182.98 54.2,187.93 C784.2 ; CN702.C15 48.27,181.9 42.23,181.9 40.67,183.46 29.51,183.46 CN701.C15 27.95,181.9 23.63,181.9 22.65,182.88 CN700.C15
Net-(C786-Pad1): length 6.5
  Top w0.25: RN704.4 58.9,185.57 C786.1 57,185.91
Net-(C786-Pad2): length 49.4
  Top w0.25: 49.25,180.44 54.2,185.39 C786.2 ; CN701.C16 27.95,179.36 9.64,179.36 CN700.C16
  Bottom w0.25: 28.93,180.24 29.86,179.31 48.27,179.31 49.25,180.29
Net-(C787-Pad1): length 6.5
  Top w0.25: RN704.3 58.9,183.03 C787.1 57.05,183.42
Net-(C787-Pad2): length 49.5
  Top w0.25: CN700.C17 9.64,176.82 27.95,176.82 CN701.C17 ; CN702.C17 54.25,182.8 C787.2
  Bottom w0.25: CN701.C17 29.91,176.82 48.27,176.82 CN702.C17
Net-(C789-Pad1): length 6.5
  Top w0.25: RN704.2 58.9,180.49 C789.1 57.05,180.88
Net-(C789-Pad2): length 49.5
  Top w0.25: 49.25,175.36 54.25,180.36 C789.2 ; 28.93,175.31 27.95,176.29 9.69,176.29 CN700.C18
  Bottom w0.25: 49.25,175.36 48.27,176.34 29.96,176.34 28.93,175.31
Net-(C790-Pad1): length 7.5
  Top w0.25: C790.1 57,234.17 RN702.3
Net-(C790-Pad2): length 47.1
  Top w0.25: 49.25,233.78 C790.2
  Bottom w0.25: 28.89,233.6 29.82,232.67 48.23,232.67 49.21,233.65 ; 8.61,233.62 9.53,232.69 27.89,232.69 28.87,233.67
Net-(C791-Pad1): length 7.5
  Top w0.25: C791.1 57,231.63 RN702.2
Net-(C791-Pad2): length 47.1
  Top w0.25: 49.25,231.24 C791.2
  Bottom w0.25: 49.21,231.11 48.23,230.13 29.82,230.13 28.89,231.06 27.91,230.08 9.55,230.08 8.62,231.01
Net-(C793-Pad1): length 5.7
  Top w0.25: C793.1 60.38,228.75 RN703.10
Net-(C793-Pad2): length 47.1
  Top w0.25: 49.25,228.7 54.15,228.7 C793.2